# Altium PCB Z01-2.PcbDoc
Units mm, origin at the board's own origin, x right, y up, seen from the top; angles counter-clockwise.
Board outline 65 x 30 mm, 2 copper layers (Top Layer, Bottom Layer); 41 components, 29 nets, 182 pads, 42 vias.
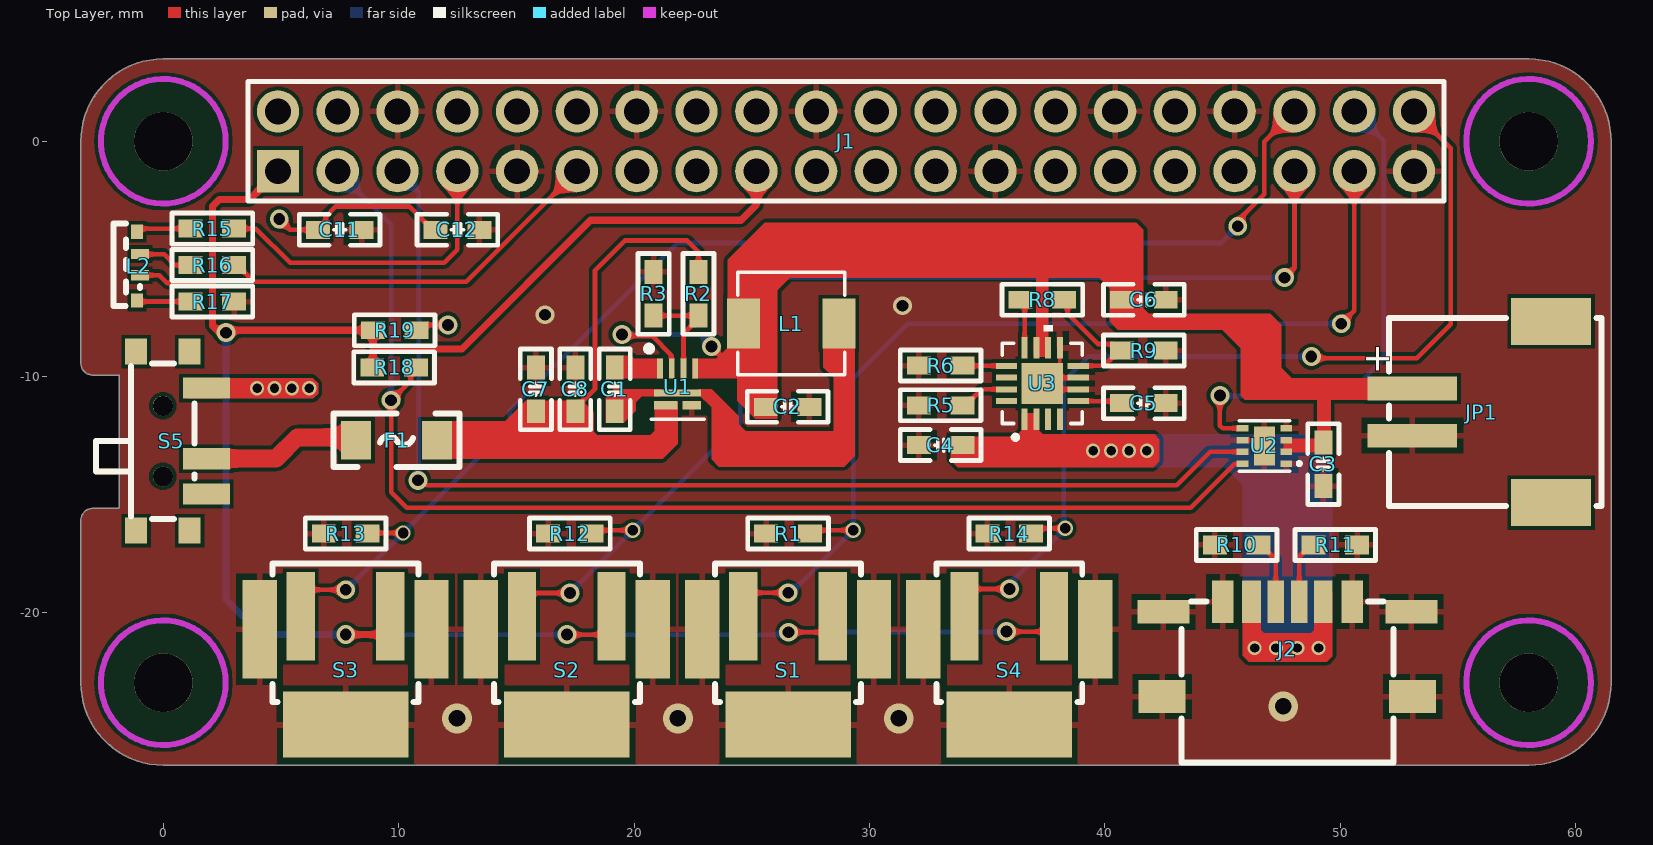
[diagram p0: Top Layer view]
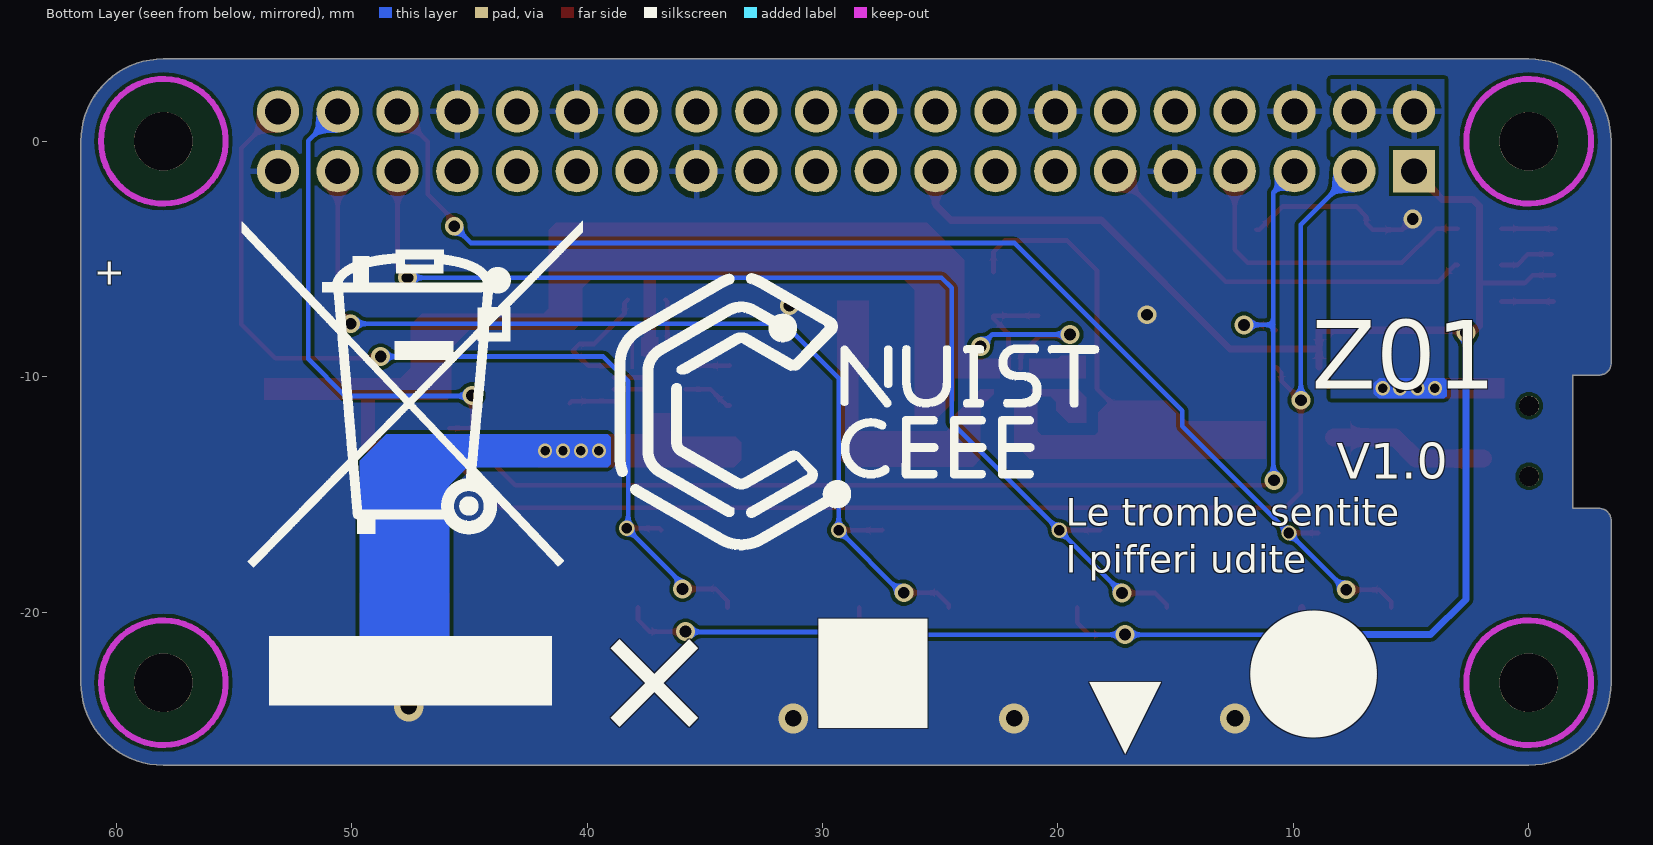
[diagram p1: Bottom Layer view, seen from below]
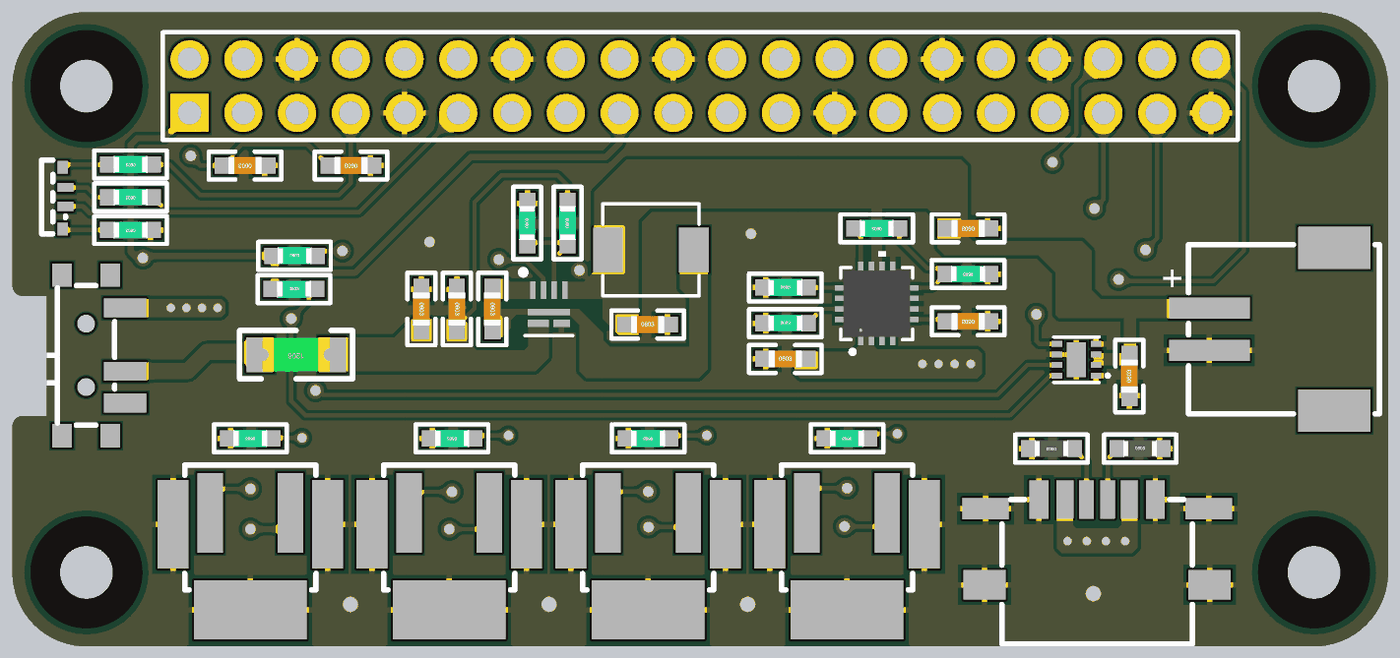
[diagram p2: 3D render of the assembled board from above, using the file's embedded part models]

## Layer stack, top to bottom
Top Solder: solder mask 0.0102, Solder Resist, Dk 3.5
Top Layer: signal copper 0.0356
Dielectric 1: dielectric 0.32, FR-4, Dk 4.8
Bottom Layer: signal copper 0.0356
Bottom Solder: solder mask 0.0102, Solder Resist, Dk 3.5

## Board outline
-3.5,-16.098 cw(c-2.997,-16.098) -2.997,-15.596 -1.88,-15.596 -1.88,-9.931 -2.992,-9.931 cw(c-2.997,-9.428) -3.5,-9.432 -3.5,0 cw(c0,0) 0,3.5 58,3.5 cw(c58,0) 61.5,0 61.5,-23 cw(c58,-23) 58,-26.5 0,-26.5 cw(c0,-23) -3.5,-23

## Design rules (kind name [scope] priority, off if disabled: settings)
Clearance [All] p1: gap=0.254 ignorepadtopadclearanceinfootprint=TRUE except(0: Arc-Hole Track-Hole SMDPad-Hole THPad-Hole Via-Hole Fill-Hole Poly-Hole Region-Hole Text-Hole; 0.1: SMDPad-Region; 0.15: Arc-Poly Track-Poly SMDPad-Poly THPad-Poly Via-Poly Fill-Poly Poly-Poly Poly-Region; 0.18: Track-Region)
ComponentClearance [All] p1: gap=0.14 collisioncheckmode=3 verticalgap=0.254 showdistances=FALSE
PolygonConnect [All] p1: thpad.connectstyle=Relief thpad.reliefconductorwidth=0.254 thpad.reliefentries=4 thpad.polygonreliefangle="90 Angle" thpad.airgapwidth=0.254 smdpad.connectstyle=Relief smdpad.reliefconductorwidth=0.254 smdpad.reliefentries=4 smdpad.polygonreliefangle="90 Angle" smdpad.airgapwidth=0.254 via.connectstyle=Direct via.reliefconductorwidth=0.254 via.reliefentries=4 via.polygonreliefangle="90 Angle" via.airgapwidth=0.254
RoutingVias [All] p1: holewidth=0.5 width=0.8 viastyle="Through Hole" minholewidth=0.45 minwidth=0.5 maxholewidth=0.711 maxwidth=1.27
SolderMaskExpansion [All] p1: expansion=0.102 istentingtop=FALSE
Width [All] p1: maxlimit=0.762 minlimit=0.15 preferedwidth=0.2 minimp=50.000000 maximp=50.000000 favimp=50.000000
29 further rules are at their usual default settings.

## Components (designator, comment, footprint, x,y, rotation, side; value= is the part's Value field where it differs from the comment)
C1 "10nF" "C 0603_M" 19.177,-10.541 r270 top
C2 "10uF" "C 0603_M" 26.518,-11.278 r0 top
C3 "0.1uF 5v" "C 0603_M" 49.276,-13.716 r90 top
C4 "10uF" "C 0603_M" 33.02,-12.903 r0 top
C5 "20nF" "C 0603_M" 41.656,-11.125 r180 top
C6 "1uF" "C 0603_M" 41.656,-6.731 r180 top locked
C7 "22uF" "C 0603_M" 15.824,-10.541 r270 top
C8 "22uF" "C 0603_M" 17.501,-10.541 r270 top
C11 "10nF" "C 0603_M" 7.493,-3.759 r180 top
C12 "100nF" "C 0603_M" 12.497,-3.759 r180 top
F1 "MSMD200-8V 2A" "FU 1206" 9.906,-12.7 r180 top
J1 "RPI HEADER" "HEADER 2*20 BACK" 29,0 r0 top locked
J2 "TYPEC-6P" TYPEC-6P-SMD 47.752,-21.76 r0 top locked
JP1 "PH2.0 2P" "PH2.0 2P" 56.007,-11.5 r270 top locked
L1 "L" "L SMD" 26.67,-7.747 r180 top
L2 "LED" FM-3510RGBA-SG -1.053,-5.3 r90 top
R1 "10K" "R 0603-HP" 26.538,-16.662 r180 top
R2 "316k" "R 0603-HP" 22.733,-6.477 r90 top
R3 "100k" "R 0603-HP" 20.828,-6.477 r90 top
R5 "14.6k" "R 0603-HP" 33.02,-11.214 r0 top
R6 "2.2k" "R 0603-HP" 33.02,-9.525 r0 top
R8 "4.7k" "R 0603-HP" 37.338,-6.731 r180 top
R9 "2.4k" "R 0603-HP" 41.656,-8.89 r180 top
R10 "5.1K" "R 0603" 45.593,-17.145 r180 top
R11 "5.1K" "R 0603" 49.784,-17.145 r0 top
R12 "10K" "R 0603-HP" 17.272,-16.662 r180 top
R13 "10K" "R 0603-HP" 7.742,-16.662 r180 top
R14 "10K" "R 0603-HP" 35.936,-16.662 r180 top
R15 "10k" "R 0603-HP" 2.083,-3.708 r180 top
R16 "10k" "R 0603-HP" 2.083,-5.258 r180 top
R17 "10k" "R 0603-HP" 2.083,-6.807 r180 top
R18 "10k" "R 0603-HP" 9.804,-9.601 r0 top
R19 "10k" "R 0603-HP" 9.83,-8.026 r0 top
S1 "SWITCH_VERTICAL" TA3-2W2-V-T/R 26.538,-22.479 r0 top
S2 "SWITCH_VERTICAL" TA3-2W2-V-T/R 17.14,-22.479 r0 top
S3 "SWITCH_VERTICAL" TA3-2W2-V-T/R 7.742,-22.479 r0 top
S4 "SWITCH_VERTICAL" TA3-2W2-V-T/R 35.936,-22.479 r0 top
S5 "SWITCH" SWITCH 0.338,-12.735 r270 top
U1 "TPS61230ARNSR" VQFN7_2X2_TEX-M 21.907,-9.063 r0 top
U2 "MAX17048G+T10" TDFN-8_EP 46.775,-12.942 r180 top
U3 "L6924D013TR" VFQFPN-16_STM-M 37.338,-10.287 r90 top locked

## Footprints (in the part's own frame and the unit in brackets; to place one, negate y for a bottom-side part, rotate by r counter-clockwise, add the part's x,y. Pads: shape width x height; smd on the part's side, far side on the other; paste and mask are expansions set on the pad)
"C 0603_M" [mil] "无极性贴片电容"
  rect 40x30 smd: 1(-36.5,0) 2(36.5,0)
  silkscreen extent -68,-26 68,26, body extent -31,-16 31,16, height 32
FM-3510RGBA-SG [mm] "https://item.szlcsc.com/775226.html"
  rect 0.6x0.5 smd: 1(-1.46,0.062) 4(1.46,0.062)
  rect 0.44x0.75 smd: 2(-0.39,-0.062) 3(0.51,-0.062)
  silkscreen extent -1.69,-0.06 1.81,1.06
"FU 1206" [mil] "贴片保险丝"
  rect 50x65 smd: 1(-67.5,0) 2(67.5,0)
  silkscreen extent -105,-45 105,45, body extent -63,-32 63,32, height 34
"HEADER 2*20 BACK" [mm] "https://item.szlcsc.com/2784386.html"
  rect 1.8x1.8 hole 1.1: 1(-24.13,-1.27)
  round 1.8 hole 1.1: 2(-24.13,1.27) 3(-21.59,-1.27) 4(-21.59,1.27) 5(-19.05,-1.27) 6(-19.05,1.27) 7(-16.51,-1.27) 8(-16.51,1.27) 9(-13.97,-1.27) 10(-13.97,1.27) 11(-11.43,-1.27) 12(-11.43,1.27) 13(-8.89,-1.27) 14(-8.89,1.27) 15(-6.35,-1.27) 16(-6.35,1.27) 17(-3.81,-1.27) 18(-3.81,1.27) 19(-1.27,-1.27) 20(-1.27,1.27) 21(1.27,-1.27) 22(1.27,1.27) 23(3.81,-1.27) 24(3.81,1.27) 25(6.35,-1.27) 26(6.35,1.27) 27(8.89,-1.27) 28(8.89,1.27) 29(11.43,-1.27) 30(11.43,1.27) 31(13.97,-1.27) 32(13.97,1.27) 33(16.51,-1.27) 34(16.51,1.27) 35(19.05,-1.27) 36(19.05,1.27) 37(21.59,-1.27) 38(21.59,1.27) 39(24.13,-1.27) 40(24.13,1.27)
  silkscreen extent -25.4,-2.54 25.4,2.54
"L SMD" [mm] "https://item.szlcsc.com/397734.html"
  rect 1.4x2.12 smd: 1(2.028,0) 2(-2.028,0)
  silkscreen extent -2.28,-2.18 2.28,2.18
"PH2.0 2P" [mm] "https://item.szlcsc.com/698563.html"
  rect 1x3.8 smd: 1(-1,-2.95) 2(1,-2.95)
  rect 2x3.4 smd: ""(-3.85,2.95) ""(3.85,2.95)
  silkscreen extent -4,-3.94 4,5.08
"R 0603" [mil] "1/10W贴片电阻"
  rect 40x31.5 smd: 1(-36.5,0) 2(36.5,0)
  silkscreen extent -68,-26 68,26, body extent -31,-16 32,16, height 16
"R 0603-HP" [mil] "1/10W高精度贴片电阻"
  rect 40x30 smd: 1(-36.5,0) 2(36.5,0)
  silkscreen extent -68,-26 68,26, body extent -31,-16 32,16, height 16
SWITCH [mm]
  rect 0.9x2 smd: 1(-2.25,1.491) 2(0.75,1.491) 3(2.25,1.491)
  rect 1.1x0.93 smd: ""(-3.8,-1.491) ""(-3.8,0.779) ""(3.8,-1.491) ""(3.8,0.779)
  round 0.85 hole 0.85 unplated: ""(-1.5,-0.356) ""(1.5,-0.356)
  silkscreen extent -3.3,-3.21 3.3,0.99
TA3-2W2-V-T/R [mm] "https://item.szlcsc.com/513960.html"
  rect 1.2x3.76 smd: 1(-1.9,2.297) 2(1.9,2.297)
  rect 1.46x4.19 smd: 3(-3.65,1.753) 3(3.65,1.753)
  rect 5.33x2.79 smd: 3(0,-2.297)
  silkscreen extent -3.1,-1.35 3.1,4.55
TDFN-8_EP [mm] "https://item.szlcsc.com/2777647.html"
  rect 0.505x0.28 smd: 1(-0.928,0.75) 2(-0.928,0.25) 3(-0.928,-0.25) 4(-0.928,-0.75) 5(0.928,-0.75) 6(0.928,-0.25) 7(0.928,0.25) 8(0.928,0.75)
  rect 0.9x1.65 smd: 9(0,0)
  silkscreen extent -1.55,-1.08 1.08,1.08
TYPEC-6P-SMD [mm] "https://item.szlcsc.com/2774891.html"
  rect 0.9x1.808 smd: 1(-2.75,2.206) 6(2.75,2.206)
  rect 0.8x1.808 smd: 2(-1.52,2.206) 5(1.52,2.206)
  rect 0.7x1.808 smd: 3(-0.5,2.206) 4(0.5,2.206)
  rect 2x1.4 smd: 7(-5.32,-1.825) 7(5.32,-1.825)
  rect 2.2x1 smd: 7(-5.269,1.775) 7(5.269,1.775)
  silkscreen extent -4.5,-4.63 4.5,2.21
VFQFPN-16_STM-M [mm]
  rect 0.908x0.255 smd paste+0 mask+0: 1(-1.521,0.75) 2(-1.521,0.25) 3(-1.521,-0.25) 4(-1.521,-0.75) 9(1.521,-0.75) 10(1.521,-0.25) 11(1.521,0.25) 12(1.521,0.75)
  rect 0.255x0.908 smd paste+0 mask+0: 5(-0.75,-1.521) 6(-0.25,-1.521) 7(0.25,-1.521) 8(0.75,-1.521) 13(0.75,1.521) 14(0.25,1.521) 15(-0.25,1.521) 16(-0.75,1.521)
  rect 1.753x1.753 smd paste+0 mask+0: 17(0,0)
  silkscreen extent -2.39,-1.7 2.48,1.7, body extent -1.57,-1.57 1.58,1.58, height 0.94
VQFN7_2X2_TEX-M [mm]
  rect 0.25x0.85 smd paste+0 mask+0: 1(-0.809,-0.589) 2(-0.309,-0.589) 3(0.191,-0.589) 4(0.691,-0.589)
  rect 2x0.3 smd paste+0 mask+0: 5(-0.059,-1.629)
  rect 0.8x0.35 smd paste+0 mask+0: 6(0.541,-2.154)
  rect 1x0.35 smd paste+0 mask+0: 7(-0.559,-2.154)
  silkscreen extent -1.4,-2.74 1.07,0.38

## Part data
C1 C2 C3 C4 C5 C6 C7 C8 C11 C12: library part C, "无极性贴片电容", BOM名称=无极性贴片电容
F1: library part FU, "贴片保险丝", BOM名称=贴片保险丝, 学习资源=www.ooocke.com, 版权归属=源创客
L2: library part RGBLED_VERTICAL
R1 R2 R3 R5 R6 R8 R9 R10 R11 R12 R13 R14 R15 R16 R17 R18 R19: library part R, "贴片电阻", BOM名称=贴片电阻, 学习资源=www.ooocke.com, 版权归属=源创客
U1: "No Description Available", Mfr_Name="Texas Instruments", Copyright="Copyright (C) 2022 Ultra Librarian. All rights reserved.", Manufacturer_Part_Number=TPS61230ARNSR, RefDes=RefDes, Type=DEV
U3: "No Description Available", Built_By=EMA_UL_Team, Copyright="Copyright (C) 2021 Accelerated Designs. All rights reserved", Manufacturer_Part_Number=L6924D013TR, RefDes=RefDes, SourceLibrary=Updates_to_database_2020-11-10, Type=DEV, Vendor=STMicroelectronics

## Free pads (board coordinates)
  round 2.5 hole 2.5 unplated: ""(0,-23) ""(0,0) ""(58,-23) ""(58,0)

## Via types
v1: diameter 0.8, hole 0.5, Top Layer to Bottom Layer, tented both sides, 22 vias
v2: diameter 0.6, hole 0.4, Top Layer to Bottom Layer, tented both sides, 12 vias
v3: diameter 1.27, hole 0.711, Top Layer to Bottom Layer, tented both sides, 4 vias
v4: diameter 0.65, hole 0.45, Top Layer to Bottom Layer, tented both sides, 4 vias

## Nets (pads, with @x,y where several pads share a name; then routed paths per layer and width w, separated by ;. In a path a pad name is that pad's centre, name@x,y a point inside that pad or via, vN(x,y) a via of type N, cw(c..) or ccw(c..) an arc to the next point about the centre after c; other vN are vias at no path point)
+5: C11.2 C12.2 J1.2 J1.4 S5.1 | length 7.8
  Top Layer w0.2: v1(4.928,-3.302) 5.385,-3.759 6.615,-3.759 6.896,-3.478 6.896,-3.195 7.323,-2.769 10.452,-2.769 11.443,-3.759 C12.2
  other v2: 3.988,-10.49 4.724,-10.49 5.461,-10.49 6.198,-10.49
BAT: C2.1 C3.2 C6.2 JP1.1 L1.1 U1.2 U1.4 U2.2 U2.3 U3.10 U3.11 | length 8.9
  Top Layer w0.2: v1(19.482,-8.204) 19.544,-8.266 20.762,-8.266 21.577,-9.08 21.577,-9.631 U1.2 ; v1(23.292,-8.712) 23.292,-8.72 23.698,-9.126 23.698,-9.474 ; U2.2 U2.3 ; C3.2@48.995,-13.089 49.276,-12.808 C3.2
  Bottom Layer w0.2: v1(19.482,-8.204) 22.784,-8.204 v1(23.292,-8.712)
GND: C2.2 C3.1 C4.1 C5.1 C6.1 C7.1 C8.1 C11.1 C12.1 J1.6 J1.9 J1.14 J1.20 J1.25 J1.30 J1.34 J1.39 J2.1 J2.6 J2.7 JP1.2 R1.2 R3.2 R5.1 R6.1 R9.1 R10.2 R11.2 R12.2 R13.2 R14.2 R17.1 S1.3 S2.3 S3.3 S4.3 U1.6 U2.1 U2.4 U2.6 U2.9 U3.6 U3.7 U3.9 U3.17 | length 4.3
  Top Layer w0.2: U3.6 37.588,-10.537 U3.17 37.588,-10.037 U3.7 ; U2.6 46.524,-12.692 U2.9
  other v1: 16.21,-7.37 31.394,-6.985
  other v3: 12.471,-24.511 21.857,-24.511 31.242,-24.511 47.574,-24.003
GPIO0: J1.11 R16.1 | length 16.8
  Top Layer w0.2: R16.1 3.137,-5.258 3.848,-5.969 12.871,-5.969 J1.11
GPIO7: J1.7 R15.1 | length 13.6
  Top Layer w0.2: R15.1 3.937,-3.708 5.385,-5.156 11.938,-5.156 12.49,-4.604 J1.7
GPIO24: J1.35 R12.1 S2.1 | length 47.9
  Top Layer w0.2: S2.1@15.372,-19.801 15.372,-19.69 15.872,-19.19 v1(17.272,-19.19) ; R12.1@18.212,-16.523 v4(19.939,-16.523) ; v1(47.625,-5.791) 48.05,-5.366 J1.35
  Bottom Layer w0.2: v1(17.272,-19.19) v4(19.939,-16.523) 24.511,-11.951 24.511,-6.223 24.943,-5.791 v1(47.625,-5.791)
GPIO25: J1.37 R1.1 S1.1 | length 42.8
  Top Layer w0.2: S1.1@24.637,-19.801 24.637,-19.677 25.137,-19.177 v1(26.543,-19.177) ; R1.1@27.465,-16.51 27.478,-16.523 v4(29.312,-16.523) ; v1(50.038,-7.747) 50.59,-7.195 J1.37
  Bottom Layer w0.2: v1(26.543,-19.177) 26.556,-19.19 26.645,-19.19 v4(29.312,-16.523) 29.312,-10.058 31.623,-7.747 v1(50.038,-7.747)
GPIO27: J1.36 R13.1 S3.1 | length 54.1
  Top Layer w0.2: S3.1@5.841,-19.801 5.841,-19.55 6.341,-19.05 v1(7.747,-19.05) ; R13.1@8.948,-16.637 v4(10.185,-16.637) ; v1@45.658,-3.607 45.658,-3.359 46.764,-2.253 46.764,-0.016 J1.36
  Bottom Layer w0.2: v1(7.747,-19.05) 7.772,-19.05 v4(10.185,-16.637) 14.72,-12.102 14.72,-11.442 21.844,-4.318 44.933,-4.318 v1(45.644,-3.607)
GPIO28: J1.38 U2.5 | length 21
  Top Layer w0.2: v1(44.882,-10.795) 44.882,-12.075 44.999,-12.192 U2.5
  Bottom Layer w0.2: v1(44.882,-10.795) 44.907,-10.82 50.267,-10.82 51.844,-9.243 51.844,0.016 J1.38
GPIO29: J1.40 R14.1 S4.1 | length 40.9
  Top Layer w0.2: S4.1@34.035,-19.801 34.035,-19.517 34.535,-19.017 v1(35.943,-19.017) ; R14.1@36.863,-16.51 36.931,-16.441 v4(38.31,-16.441) ; v1(48.768,-9.144) 48.844,-9.22 53.238,-9.22 54.686,-7.772 54.686,-0.286 J1.40
  Bottom Layer w0.2: v1(35.943,-19.017) 35.943,-18.809 v4(38.31,-16.441) 38.252,-16.383 38.252,-10.198 39.307,-9.144 v1(48.768,-9.144)
NetC1_1: C1.1 U1.1
NetC1_2: C1.2 L1.2 U1.5
NetC5_2: C5.2 U3.5 | length 1.9
  Top Layer w0.2: U3.5 40.641,-11.037 C5.2
NetC7_2: C7.2 C8.2 F1.1 R2.2 U1.7 | length 12.3
  Top Layer w0.2: C8.2 17.501,-11.341 18.34,-10.502 18.34,-5.486 19.609,-4.216 22.25,-4.216 22.733,-4.699 R2.2
NetJ2_3: J2.3 R10.1 | length 2.8
  Top Layer w0.2: R10.1 46.628,-17.145 46.928,-17.445 47.252,-17.769 J2.3
NetJ2_4: J2.4 R11.1 | length 2.7
  Top Layer w0.2: J2.4 48.252,-17.642 48.749,-17.145 R11.1
NetL2_1: L2.1 R17.2 | length 2.2
  Top Layer w0.2: L2.1@-1.068,-6.807 R17.2
NetL2_3: L2.3 R16.2 | length 2.3
  Top Layer w0.2: L2.3@-0.967,-4.801 0.034,-4.801 0.491,-5.258 R16.2
NetL2_4: L2.4 R15.2 | length 2.3
  Top Layer w0.2: L2.4@-1.138,-3.708 R15.2
NetR2_1: R2.1 R3.1 U1.3 | length 4.4
  Top Layer w0.2: R3.1 R2.1 22.733,-7.531 22.098,-8.166 U1.3
NetR5_2: R5.2 U3.15 | length 2.2
  Top Layer w0.2: R5.2@33.947,-11.218 34.074,-11.218 34.355,-10.937 34.755,-10.537 U3.15
NetR6_2: R6.2 U3.13 | length 1.9
  Top Layer w0.2: R6.2 33.959,-9.537 U3.13
NetR8_1: R8.1 R9.2 U3.8 | length 5.5
  Top Layer w0.2: R8.1 38.41,-6.876 38.41,-7.32 39.699,-8.609 40.321,-8.609 40.602,-8.89 39.955,-9.537 U3.8
POWER_OUT: F1.2 S5.2 | length 6.7
  Top Layer w0.762: S5.2@1.948,-13.474 4.789,-13.474 5.69,-12.573 F1.2@8.268,-12.573
SCL: J1.5 R19.2 U2.7 | length 51.9
  Top Layer w0.2: R19.2 10.986,-7.798 v1(12.09,-7.798) ; v1(10.82,-14.402) 10.983,-14.402 11.186,-14.605 43.053,-14.605 44.472,-13.186 45.841,-13.186 U2.7
  Bottom Layer w0.2: J1.5 10.846,-2.166 10.846,-7.798 ; v1(10.82,-14.402) 10.846,-14.376 10.846,-7.798 ; v1(12.09,-7.798) 10.846,-7.798
SDA: J1.3 R18.2 U2.8 | length 53.6
  Top Layer w0.2: R18.2 10.511,-9.822 10.511,-10.165 v1(9.677,-10.998) 9.677,-14.91 10.338,-15.57 43.637,-15.57 45.515,-13.692 U2.8
  Bottom Layer w0.2: J1.3 9.677,-3.537 v1(9.677,-10.998)
VBUS: C4.2 J2.2 J2.5 U3.1 U3.2 | length 0
  other v2: 46.355,-21.523 47.262,-21.523 48.169,-21.523 49.075,-21.523 39.497,-13.144 40.259,-13.144 41.021,-13.144 41.783,-13.144
VCC: J1.1 J1.17 L2.2 R18.1 R19.1 S1.2 S2.2 S3.2 S4.2 | length 96.4
  Top Layer w0.2: L2.2@-1.087,-5.687 -0.165,-5.687 0.17,-6.022 2.07,-6.022 2.098,-5.994 ; R18.1 R18.1@8.903,-9.576 ; 8.903,-8.801 8.918,-8.816 ; v1(17.145,-20.955) 18.672,-20.955 19.172,-20.455 S2.2@19.172,-19.801 ; J1.17 J1.17@25.197,-1.277 ; v1(26.557,-20.855) 27.937,-20.855 28.437,-20.355 S1.2@28.437,-19.801 ; v1(35.814,-20.828) 37.335,-20.828 37.835,-20.328 S4.2@37.835,-19.801
  Top Layer w0.3: 2.098,-7.835 2.098,-5.994 2.098,-2.753 2.388,-2.464 3.676,-2.464 J1.1 ; 2.119,-7.856 v1@2.313,-8.05 ; v1(2.667,-8.128) 2.802,-8.128 2.904,-8.026 R19.1 8.903,-8.801 R18.1@8.903,-9.576 ; v1(7.747,-20.955) 9.191,-20.955 9.641,-20.505 S3.2@9.641,-19.801 ; 8.918,-8.816 11.088,-8.816 12.688,-8.816 18.151,-3.353 24.536,-3.353 25.197,-2.692 J1.17@25.197,-1.277
  Bottom Layer w0.2: v1(7.747,-20.955) v1(17.145,-20.955) 26.457,-20.955 v1(26.557,-20.855) 26.57,-20.841 35.801,-20.841 v1(35.814,-20.828)
  Bottom Layer w0.3: v1(2.667,-8.128) 2.667,-19.456 4.166,-20.955 v1(7.747,-20.955)
VREF: R8.2 U3.12 | length 2.1
  Top Layer w0.2: U3.12 36.588,-6.808 R8.2@36.665,-6.731
pads on no net: J1.8 J1.10 J1.12 J1.13 J1.15 J1.16 J1.18 J1.19 J1.21 J1.22 J1.23 J1.24 J1.26 J1.27 J1.28 J1.29 J1.31 J1.32 J1.33 JP1. S5. S5.3 U3.3 U3.4 U3.14 U3.16

## Polygon pours and split planes (outlines as drawn)
GND on Bottom Layer "GND_L02_P005" (solid, remove dead copper, pour order 5): -3.5,-16.098 cw(c-2.997,-16.098) -2.997,-15.596 -1.88,-15.596 -1.88,-9.931 -2.992,-9.931 cw(c-2.997,-9.428) -3.5,-9.432 -3.5,0 cw(c0,0) 0,3.5 58,3.5 cw(c58,0) 61.5,0 61.5,-23 cw(c58,-23) 58,-26.5 0,-26.5 cw(c0,-23) -3.5,-23
+5 on Bottom Layer "+5_L02_P000" (solid, remove dead copper, pour order 0): 3.581,2.642 3.581,-10.922 8.407,-10.922 8.407,2.642
GND on Top Layer "GND_L01_P004" (solid, remove dead copper, pour order 4): -3.5,-16.098 cw(c-2.997,-16.098) -2.997,-15.596 -1.88,-15.596 -1.88,-9.931 -2.992,-9.931 cw(c-2.997,-9.428) -3.5,-9.432 -3.5,0 cw(c0,0) 0,3.5 58,3.5 cw(c58,0) 61.5,0 61.5,-23 cw(c58,-23) 58,-26.5 0,-26.5 cw(c0,-23) -3.5,-23

## Keep-outs
Keep-Out Layer:
  circle w0.254: c58,-23 r2.65
  circle w0.254: c58,0 r2.65
  circle w0.254: c0,-23 r2.65
  circle w0.254: c0,0 r2.65

## Other copper
Top Layer:
  region net NetC1_1: 21.209,-9.246 20.015,-9.246 19.888,-9.119 18.821,-9.119 18.821,-10.058 21.006,-10.058 21.209,-10.058
  region net NetC1_2: 29.362,-6.782 29.362,-13.386 28.931,-13.818 23.597,-13.818 23.292,-13.513 23.292,-11.303 22.733,-10.744 22.733,-10.541 23.292,-10.541 24.435,-11.684 24.435,-12.014 24.74,-12.319 28.473,-12.319 28.473,-10.033 28.042,-9.601 28.042,-6.782
  region net BAT: 26.086,-11.786 25.146,-11.786 24.384,-11.024 24.384,-8.763 25.883,-8.763 26.086,-8.966
  region net BAT: 30.607,-3.454 25.552,-3.454 23.978,-5.029 23.978,-8.763 23.495,-9.246 22.479,-9.246 22.479,-10.058 24.994,-10.058 26.086,-8.966 26.086,-6.325 26.619,-5.791 30.607,-5.791
  region net NetC1_2: 21.158,-10.541 19.126,-10.541 18.796,-10.871 18.796,-11.963 19.558,-11.963 20.066,-11.455 20.066,-11.074 20.32,-10.82 21.057,-10.82
  region net NetC7_2: 21.844,-11.077 21.844,-12.852 21.209,-13.487 11.176,-13.487 11.176,-11.887 14.529,-11.887 15.392,-11.024 17.805,-11.024 18.288,-11.506 18.288,-12.344 18.44,-12.497 20.676,-12.497 20.879,-12.294 20.879,-11.077
  region net VBUS: 45.847,-19.177 45.847,-21.844 46.101,-22.098 49.428,-22.098 49.657,-21.869 49.657,-19.177 48.895,-19.177 48.895,-20.752 48.743,-20.904 46.761,-20.904 46.609,-20.752 46.609,-19.177
  region net VBUS: 42.316,-12.649 42.113,-12.446 37.363,-12.446 37.186,-12.268 37.186,-11.557 36.474,-11.557 36.474,-12.268 36.195,-12.548 33.68,-12.548 33.452,-12.776 33.452,-13.538 33.757,-13.843 42.062,-13.843 42.316,-13.589
  region net BAT: 30.607,-5.791 30.607,-3.454 41.326,-3.454 41.631,-3.759 41.631,-7.087 41.859,-7.315 47.015,-7.315 47.498,-7.798 47.498,-9.627 47.93,-10.058 53.721,-10.058 53.721,-10.973 45.936,-10.973 45.771,-10.808 45.771,-8.788 44.983,-8.001 40.538,-8.001 40.208,-7.671 40.208,-6.248 39.751,-5.791
  region net +5: 1.041,-10.058 1.041,-10.922 6.375,-10.922 6.579,-10.719 6.579,-10.287 6.35,-10.058
  region net BAT: 37.084,-9.144 37.592,-9.144 37.592,-5.461 37.084,-5.461
  region net GND: 38.139,-8.382 38.139,-9.652 38.01,-9.652 38.01,-8.382
  region net BAT: 36.982,-8.319 36.982,-9.106 37.694,-9.106 37.694,-8.319
  region net BAT: 47.702,-12.637 47.702,-13.201 49.586,-13.201 49.586,-12.637
  region net BAT: 49.586,-10.414 49.022,-10.414 49.022,-13.113 49.586,-13.113
Bottom Layer:
  region net +5: 6.579,-10.287 6.35,-10.058 3.581,-10.058 3.48,-10.16 3.48,-10.82 3.581,-10.922 6.375,-10.922 6.579,-10.719
  region net VBUS: 46.101,-22.098 45.847,-21.844 45.847,-14.605 45.085,-13.843 39.116,-13.843 38.989,-13.716 38.989,-12.573 39.116,-12.446 48.539,-12.446 49.657,-13.564 49.657,-21.869 49.428,-22.098

## Silkscreen, mask and mechanical layers (free items; w line width, h text height)
Bottom Overlay:
  drawing of 18 lines, arcs and shapes, not listed
  text "+" at 59.615,-6.473 h2
  text "Z01" at 9.206,-11.47 h5
  text "V1.0" at 8.147,-14.326 h1.52
  text "Le trombe sentite" at 19.663,-16.71 h2
  text "I pifferi udite" at 19.663,-18.704 h2
  text "▲" at 15.582,-22.502 h5.03 r180
  text "■" at 24.978,-25.629 h7.59
  text "●" at 6.046,-26.15 h8.8
  text "×" at 34.366,-26.66 h8.25
Top Solder:
  region: 55.35,-23 ccw(c58,-23) 58,-25.65 ccw(c58,-23) 60.65,-23 ccw(c58,-23) 58,-20.35 ccw(c58,-23)
  region: 55.35,0 ccw(c58,0) 58,-2.65 ccw(c58,0) 60.65,0 ccw(c58,0) 58,2.65 ccw(c58,0)
  region: -2.65,-23 ccw(c0,-23) 0,-25.65 ccw(c0,-23) 2.65,-23 ccw(c0,-23) 0,-20.35 ccw(c0,-23)
  region: 0,-2.65 cw(c0,0) -2.65,0 cw(c0,0) 0,2.65 cw(c0,0) 2.65,0 cw(c0,0)
Bottom Solder:
  region: 55.35,-23 ccw(c58,-23) 58,-25.65 ccw(c58,-23) 60.65,-23 ccw(c58,-23) 58,-20.35 ccw(c58,-23)
  region: 55.35,0 ccw(c58,0) 58,-2.65 ccw(c58,0) 60.65,0 ccw(c58,0) 58,2.65 ccw(c58,0)
  region: -2.65,-23 ccw(c0,-23) 0,-25.65 ccw(c0,-23) 2.65,-23 ccw(c0,-23) 0,-20.35 ccw(c0,-23)
  region: 0,-2.65 cw(c0,0) -2.65,0 cw(c0,0) 0,2.65 cw(c0,0) 2.65,0 cw(c0,0)
Mechanical 1:
  lines w0.254: -3.5,-23 ccw(c0,-23) 0,-26.5 58,-26.5 ccw(c58,-23) 61.5,-23 61.5,0 ccw(c58,0) 58,3.5 0,3.5 ccw(c0,0) -3.5,0 -3.5,-9.432 ccw(c-2.997,-9.428) -2.992,-9.931 -1.88,-9.931 -1.88,-15.596 -2.997,-15.596 ccw(c-2.997,-16.098) -3.5,-16.098 -3.5,-17.216 -3.5,-23

## Text inside footprints (layer, text, board x,y; h text height)
JP1: Top Overlay "+" at 50.72,-8.579 h2 r270